# Altium PCB mantarray_beta2_sensor_arrayed.PcbDoc (part 9 of 14)
Units mil, origin at the board's own origin, x right, y up, seen from the top; angles counter-clockwise.
Board outline 6232.47 x 10167.51 mil, 8 copper layers (Layer1_Top, Layer2_sig1, Layer3_AVDD_PLANE, Layer4_GND_PLANE, Layer5_DVDD_PLANE, Layer6_BUS, Layer7_sig2, Layer8_BOT), stack 50.224 mil thick; 470 components, 492 nets, 4650 pads, 3798 vias.
Unrouted connection lines stored in the file: 3.
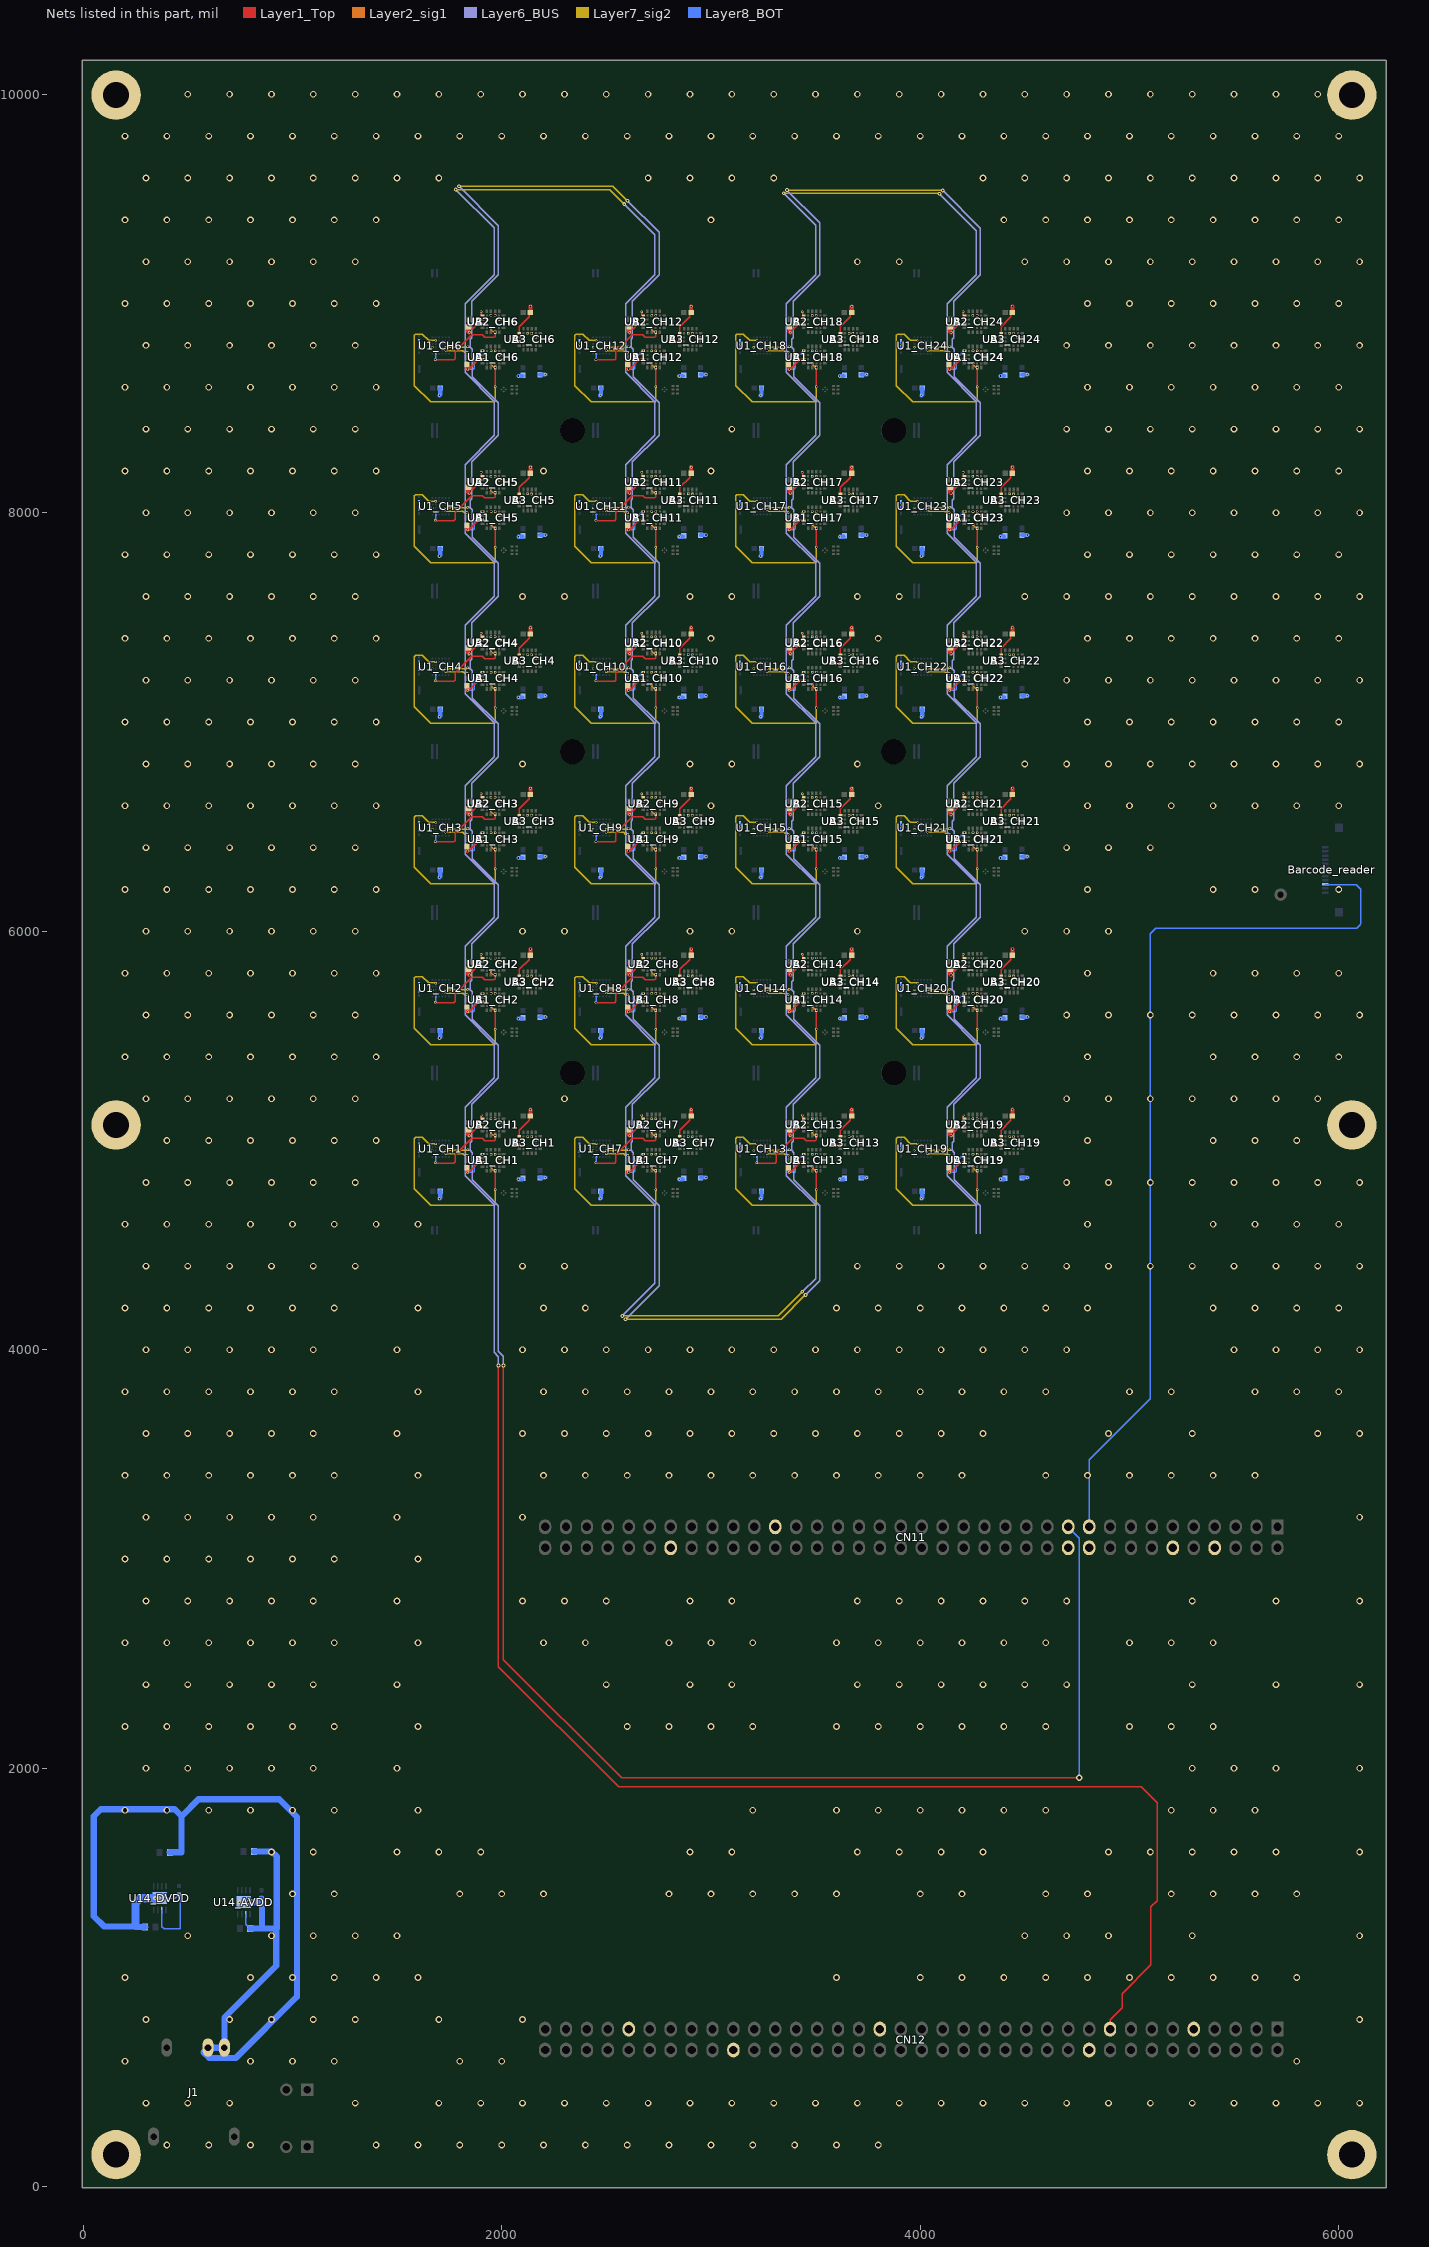
[diagram p15: the nets of this part, all layers, seen from the top]

## Via types
v1: diameter 12/12/12/12/12 (per signal layer), hole 7.87, Layer1_Top to Layer8_BOT, 2208 vias
v2: diameter 32, hole 20, Layer1_Top to Layer8_BOT, 815 vias
v3: diameter 10/10/10/10/10 (per signal layer), hole 7.87, Layer1_Top to Layer8_BOT, 456 vias
v4: diameter 18, hole 8, Layer6_BUS to Layer7_sig2, 102 vias
v5: diameter 10/10 (per signal layer), hole 7.87, Layer7_sig2 to Layer8_BOT, 96 vias
v6: diameter 18, hole 16, Layer1_Top to Layer8_BOT, 57 vias
v7: diameter 12, hole 7.87, Layer1_Top to Layer8_BOT, 26 vias
v8: diameter 18, hole 8, Layer1_Top to Layer8_BOT, 17 vias
v9: diameter 32, hole 16, Layer1_Top to Layer8_BOT, 10 vias
v10: diameter 19.68, hole 7.87, Layer1_Top to Layer8_BOT, 4 vias
v11: diameter 30, hole 20, Layer1_Top to Layer8_BOT, 3 vias
v12: diameter 70.87, hole 47.24, Layer1_Top to Layer8_BOT, 2 vias
v13: diameter 20, hole 16, Layer3_AVDD_PLANE to Layer8_BOT, 1 vias
v14: diameter 20, hole 16, Layer5_DVDD_PLANE to Layer8_BOT, 1 vias

## Nets (pads, with @x,y where several pads share a name; then routed paths per layer and width w, separated by ;. In a path a pad name is that pad's centre, name@x,y a point inside that pad or via, vN(x,y) a via of type N, cw(c..) or ccw(c..) an arc to the next point about the centre after c; other vN are vias at no path point) (continued)
GND: (continued)
  other v2: 400,200 600,200 800,200 1400,200 1600,200 1800,200 2000,200 2200,200 2400,200 2600,200 2800,200 3000,200 3200,200 3400,200 3600,200 3800,200 300,400 500,400 700,400 1300,400 1700,400 1900,400 2100,400 2300,400 2500,400 2700,400 2900,400 3100,400 3300,400 3500,400 3700,400 3900,400 4100,400 4300,400 4500,400 4700,400 4900,400 5100,400 5300,400 5500,400 5700,400 5900,400 6100,400 200,600 800,600 1000,600 1200,600 1800,600 2000,600 5800,600 300,800 700,800 900,800 1100,800 1300,800 1700,800 2100,800 6100,800 200,1000 800,1000 1000,1000 1200,1000 1400,1000 1600,1000 3600,1000 4000,1000 4200,1000 4400,1000 4600,1000 4800,1000 5000,1000 5200,1000 5400,1000 5600,1000 5800,1000 500,1200 900,1200 1100,1200 1300,1200 1500,1200 4500,1200 4700,1200 4900,1200 5300,1200 6100,1200 1000,1400 1200,1400 1800,1400 2000,1400 2200,1400 2800,1400 3000,1400 3200,1400 3400,1400 3600,1400 4000,1400 4200,1400 4600,1400 4800,1400 5200,1400 5400,1400 5600,1400 5800,1400 900,1600 1100,1600 1500,1600 1700,1600 1900,1600 2900,1600 3100,1600 3700,1600 3900,1600 4100,1600 4300,1600 4900,1600 5100,1600 5300,1600 5500,1600 5700,1600 6100,1600 200,1800 400,1800 600,1800 800,1800 1000,1800 1200,1800 1600,1800 3200,1800 3600,1800 3800,1800 4000,1800 4200,1800 4400,1800 4600,1800 5200,1800 5400,1800 5600,1800 300,2000 500,2000 700,2000 900,2000 1100,2000 1500,2000 5300,2000 5500,2000 5700,2000 6100,2000 200,2200 400,2200 600,2200 800,2200 1000,2200 1200,2200 1600,2200 2600,2200 2800,2200 3000,2200 3200,2200 3600,2200 3800,2200 4000,2200 4200,2200 4400,2200 4600,2200 5000,2200 5200,2200 5400,2200 300,2400 500,2400 700,2400 900,2400 1100,2400 1500,2400 2500,2400 2900,2400 3100,2400 3700,2400 3900,2400 4100,2400 4300,2400 4500,2400 4700,2400 5300,2400 5700,2400 6100,2400 200,2600 400,2600 600,2600 800,2600 1000,2600 1200,2600 1600,2600 2200,2600 2400,2600 2800,2600 3000,2600 3200,2600 3600,2600 3800,2600 4000,2600 4200,2600 4400,2600 4600,2600 5000,2600 5200,2600 5400,2600 300,2800 500,2800 700,2800 900,2800 1100,2800 1500,2800 2100,2800 2300,2800 2500,2800 2900,2800 3100,2800 3700,2800 3900,2800 4100,2800 4300,2800 4500,2800 4700,2800 5300,2800 5700,2800 6100,2800 200,3000 400,3000 600,3000 800,3000 1000,3000 1200,3000 1600,3000 300,3200 500,3200 700,3200 900,3200 1100,3200 1500,3200 2100,3200 6100,3200 200,3400 400,3400 600,3400 800,3400 1000,3400 1200,3400 1600,3400 2200,3400 2400,3400 2600,3400 2800,3400 3000,3400 3200,3400 3400,3400 3600,3400 3800,3400 4000,3400 4200,3400 4600,3400 4800,3400 5000,3400 5200,3400 5400,3400 5600,3400 300,3600 500,3600 700,3600 900,3600 1100,3600 1500,3600 2100,3600 2300,3600 2500,3600 2700,3600 2900,3600 3100,3600 3300,3600 3500,3600 3700,3600 3900,3600 4100,3600 4300,3600 4900,3600 5300,3600 5900,3600 6100,3600 200,3800 400,3800 600,3800 800,3800 1000,3800 1200,3800 1600,3800 2200,3800 2400,3800 2600,3800 2800,3800 3000,3800 3200,3800 3400,3800 3600,3800 3800,3800 4000,3800 4200,3800 4400,3800 4600,3800 5000,3800 5200,3800 5600,3800 5800,3800 6000,3800 300,4000 500,4000 700,4000 900,4000 1100,4000 1500,4000 2100,4000 2300,4000 2500,4000 2700,4000 2900,4000 3100,4000 3300,4000 3500,4000 3700,4000 3900,4000 4100,4000 4300,4000 4500,4000 4700,4000 5500,4000 5700,4000 5900,4000 6100,4000 200,4200 400,4200 600,4200 800,4200 1000,4200 1200,4200 1600,4200 2200,4200 2400,4200 3600,4200 3800,4200 4000,4200 4200,4200 4400,4200 4600,4200 4800,4200 5400,4200 5600,4200 5800,4200 6000,4200 300,4400 500,4400 700,4400 900,4400 1100,4400 1300,4400 2100,4400 2300,4400 3700,4400 3900,4400 4100,4400 4300,4400 4500,4400 4700,4400 4900,4400 5100,4400 5300,4400 5500,4400 5700,4400 5900,4400 6100,4400 200,4600 400,4600 600,4600 800,4600 1000,4600 1200,4600 1400,4600 1600,4600 4800,4600 5400,4600 5600,4600 5800,4600 6000,4600 300,4800 500,4800 700,4800 900,4800 1100,4800 1300,4800 4700,4800 4900,4800 5100,4800 5300,4800 5500,4800 5700,4800 5900,4800 6100,4800 400,5000 600,5000 800,5000 1000,5000 1200,5000 1400,5000 4800,5000 5400,5000 5600,5000 5800,5000 300,5200 500,5200 700,5200 900,5200 1100,5200 1300,5200 2300,5200 4700,5200 4900,5200 5100,5200 5300,5200 5500,5200 5700,5200 5900,5200 200,5400 400,5400 600,5400 800,5400 1000,5400 1200,5400 1400,5400 4800,5400 5400,5400 5600,5400 5800,5400 6000,5400 300,5600 500,5600 700,5600 900,5600 1100,5600 1300,5600 4700,5600 4900,5600 5100,5600 5300,5600 5500,5600 5700,5600 5900,5600 6100,5600 200,5800 400,5800 600,5800 800,5800 1000,5800 1200,5800 1400,5800 4800,5800 5400,5800 5600,5800 5800,5800 6000,5800 300,6000 500,6000 700,6000 900,6000 1100,6000 1300,6000 2100,6000 2300,6000 2900,6000 3100,6000 3700,6000 4500,6000 4700,6000 4900,6000 200,6200 400,6200 600,6200 800,6200 1000,6200 1200,6200 1400,6200 4800,6200 5400,6200 5600,6200 6000,6200 300,6400 500,6400 700,6400 900,6400 1100,6400 1300,6400 4700,6400 4900,6400 5100,6400 200,6600 400,6600 600,6600 800,6600 1000,6600 1200,6600 1400,6600 3000,6600 3800,6600 4800,6600 5000,6600 5200,6600 5400,6600 5600,6600 5800,6600 6000,6600 300,6800 500,6800 700,6800 900,6800 1100,6800 1300,6800 2100,6800 2900,6800 3100,6800 3700,6800 4500,6800 4700,6800 4900,6800 5100,6800 5300,6800 5500,6800 5700,6800 5900,6800 6100,6800 200,7000 400,7000 600,7000 800,7000 1000,7000 1200,7000 1400,7000 4800,7000 5000,7000 5200,7000 5400,7000 5600,7000 5800,7000 6000,7000 300,7200 500,7200 700,7200 900,7200 1100,7200 1300,7200 4700,7200 4900,7200 5100,7200 5300,7200 5500,7200 5700,7200 5900,7200 6100,7200 200,7400 400,7400 600,7400 800,7400 1000,7400 1200,7400 1400,7400 3000,7400 3800,7400 4800,7400 5000,7400 5200,7400 5400,7400 5600,7400 5800,7400 6000,7400 300,7600 500,7600 700,7600 900,7600 1100,7600 1300,7600 2100,7600 2300,7600 2900,7600 3100,7600 3700,7600 3900,7600 4500,7600 4700,7600 4900,7600 5100,7600 5300,7600 5500,7600 5700,7600 5900,7600 6100,7600 200,7800 400,7800 600,7800 800,7800 1000,7800 1200,7800 1400,7800 4800,7800 5000,7800 5200,7800 5400,7800 5600,7800 5800,7800 6000,7800 300,8000 500,8000 700,8000 900,8000 1100,8000 1300,8000 4700,8000 4900,8000 5100,8000 5300,8000 5500,8000 5700,8000 5900,8000 6100,8000 200,8200 400,8200 600,8200 800,8200 1000,8200 1200,8200 1400,8200 2200,8200 3000,8200 4800,8200 5000,8200 5200,8200 5400,8200 5600,8200 5800,8200 6000,8200 300,8400 500,8400 700,8400 900,8400 1100,8400 1300,8400 3100,8400 4700,8400 4900,8400 5100,8400 5300,8400 5500,8400 5700,8400 5900,8400 6100,8400 200,8600 400,8600 600,8600 800,8600 1000,8600 1200,8600 1400,8600 4800,8600 5000,8600 5200,8600 5400,8600 5600,8600 5800,8600 6000,8600 300,8800 500,8800 700,8800 900,8800 1100,8800 1300,8800 4700,8800 4900,8800 5100,8800 5300,8800 5500,8800 5700,8800 5900,8800 6100,8800 200,9000 400,9000 600,9000 800,9000 1000,9000 1200,9000 1400,9000 4800,9000 5000,9000 5200,9000 5400,9000 5600,9000 5800,9000 6000,9000 300,9200 500,9200 700,9200 900,9200 1100,9200 1300,9200 3700,9200 3900,9200 4500,9200 4700,9200 4900,9200 5100,9200 5300,9200 5500,9200 5700,9200 5900,9200 6100,9200 200,9400 400,9400 600,9400 800,9400 1000,9400 1200,9400 1400,9400 3000,9400 4400,9400 4600,9400 4800,9400 5000,9400 5200,9400 5400,9400 5600,9400 5800,9400 6000,9400 300,9600 500,9600 700,9600 900,9600 1100,9600 1300,9600 1500,9600 1700,9600 2700,9600 2900,9600 3100,9600 3300,9600 4300,9600 4500,9600 4700,9600 4900,9600 5100,9600 5300,9600 5500,9600 5700,9600 5900,9600 6100,9600 200,9800 400,9800 600,9800 800,9800 1000,9800 1200,9800 1400,9800 1600,9800 1800,9800 2000,9800 2200,9800 2400,9800 2600,9800 2800,9800 3000,9800 3200,9800 3400,9800 3600,9800 3800,9800 4000,9800 4200,9800 4400,9800 4600,9800 4800,9800 5000,9800 5200,9800 5400,9800 5600,9800 5800,9800 6000,9800 500,10000 700,10000 900,10000 1100,10000 1300,10000 1500,10000 1700,10000 1900,10000 2100,10000 2300,10000 2500,10000 2700,10000 2900,10000 3100,10000 3300,10000 3500,10000 3700,10000 3900,10000 4100,10000 4300,10000 4500,10000 4700,10000 4900,10000 5100,10000 5300,10000 5500,10000 5700,10000 5900,10000
  other v3: 1669.29,4952.76 2437.01,4952.76 3204.72,4952.76 3972.44,4952.76 1669.29,5720.47 2437.01,5720.47 3204.72,5720.47 3972.44,5720.47 1669.29,6488.19 2437.01,6488.19 3204.72,6488.19 3972.44,6488.19 1669.29,7255.91 2437.01,7255.91 3204.72,7255.91 3972.44,7255.91 1669.29,8023.62 2437.01,8023.62 3204.72,8023.62 3972.44,8023.62 1669.29,8791.34 2437.01,8791.34 3204.72,8791.34 3972.44,8791.34
  other v10: 746.07,1360.24
I2C2_SCL: CN12.17 pad.5@1964.57,4557.09 pad.5@1964.57,5320.87 pad.5@1964.57,5324.8 pad.5@1964.57,6088.58 pad.5@1964.57,6092.52 pad.5@1964.57,6856.3 pad.5@1964.57,6860.24 pad.5@1964.57,7624.02 pad.5@1964.57,7627.95 pad.5@1964.57,8391.73 pad.5@1964.57,8395.67 pad.5@1964.57,9159.45 pad.5@2732.28,4557.09 pad.5@2732.28,5320.87 pad.5@2732.28,5324.8 pad.5@2732.28,6088.58 pad.5@2732.28,6092.52 pad.5@2732.28,6856.3 pad.5@2732.28,6860.24 pad.5@2732.28,7624.02 pad.5@2732.28,7627.95 pad.5@2732.28,8391.73 pad.5@2732.28,8395.67 pad.5@2732.28,9159.45 pad.5@3500,4557.09 pad.5@3500,5320.87 pad.5@3500,5324.8 pad.5@3500,6088.58 pad.5@3500,6092.52 pad.5@3500,6856.3 pad.5@3500,6860.24 pad.5@3500,7624.02 pad.5@3500,7627.95 pad.5@3500,8391.73 pad.5@3500,8395.67 pad.5@3500,9159.45 pad.5@4267.72,4557.09 pad.5@4267.72,5320.87 pad.5@4267.72,5324.8 pad.5@4267.72,6088.58 pad.5@4267.72,6092.52 pad.5@4267.72,6856.3 pad.5@4267.72,6860.24 pad.5@4267.72,7624.02 pad.5@4267.72,7627.95 pad.5@4267.72,8391.73 pad.5@4267.72,8395.67 pad.5@4267.72,9159.45 U1_CH1.E2 U1_CH2.E2 U1_CH3.E2 U1_CH4.E2 U1_CH5.E2 U1_CH6.E2 U1_CH7.E2 U1_CH8.E2 U1_CH9.E2 U1_CH10.E2 U1_CH11.E2 U1_CH12.E2 U1_CH13.E2 U1_CH14.E2 U1_CH15.E2 U1_CH16.E2 U1_CH17.E2 U1_CH18.E2 U1_CH19.E2 U1_CH20.E2 U1_CH21.E2 U1_CH22.E2 U1_CH23.E2 U1_CH24.E2 | length 35661.6
  Layer1_Top w6: v8(1984.72,3925.2) 1984.72,2485.16 2558.75,1911.13 5055.4,1911.13 5131.89,1834.65 5131.89,1368.11 5102.36,1338.58 5102.36,1061.02 4964.57,923.23 4964.57,856.3 4907.48,799.21 CN12.17@4907.48,753.94
  Layer6_BUS w6: v4(1780.97,9544.75) 1964.57,9361.16 pad.5@1964.57,9159.45 ; v1(1834.65,4929.13) 1833.02,4929.13 1825.28,4936.88 ; v1(1834.65,5696.85) 1833.02,5696.85 1825.28,5704.6 ; v1(1834.65,6464.57) 1833.02,6464.57 1825.28,6472.31 ; v1(1834.65,7232.28) 1833.02,7232.28 1825.28,7240.03 ; v1(1834.65,8000) 1833.02,8000 1825.28,8007.75 ; v1(1834.65,8767.72) 1833.02,8767.72 1825.28,8775.46 ; pad.5@1964.57,4555.12 1964.57,4693.27 1825.28,4832.56 1825.28,4936.88 ; pad.5@1964.57,4557.09 1964.57,3988.19 1984.72,3968.03 v8(1984.72,3925.2) ; pad.5@1964.57,9161.42 pad.5@1964.57,9159.45 ; v4(2576.25,4161.94) 2732.28,4317.98 pad.5@2732.28,4557.09 ; v4(2585.52,9475.28) 2732.28,9328.52 pad.5@2732.28,9159.45 ; v1(2602.36,4929.13) 2600.74,4929.13 2592.99,4936.88 ; v1(2602.36,5696.85) 2600.74,5696.85 2592.99,5704.6 ; v1(2602.36,6464.57) 2600.74,6464.57 2592.99,6472.31 ; v1(2602.36,7232.28) 2600.74,7232.28 2592.99,7240.03 ; v1(2602.36,8000) 2600.74,8000 2592.99,8007.75 ; v1(2602.36,8767.72) 2600.74,8767.72 2592.99,8775.46 ; pad.5@2732.28,4555.12 2732.28,4693.27 2592.99,4832.56 2592.99,4936.88 ; pad.5@2732.28,9161.42 pad.5@2732.28,9159.45 ; v4(3347.9,9527.04) 3500,9374.94 pad.5@3500,9159.45 ; v1(3370.08,4929.13) 3368.46,4929.13 3360.71,4936.88 ; v1(3370.08,5696.85) 3368.46,5696.85 3360.71,5704.6 ; v1(3370.08,6464.57) 3368.46,6464.57 3360.71,6472.31 ; v1(3370.08,7232.28) 3368.46,7232.28 3360.71,7240.03 ; v1(3370.08,8000) 3368.46,8000 3360.71,8007.75 ; v1(3370.08,8767.72) 3368.46,8767.72 3360.71,8775.46 ; v4(3436.9,4277.67) 3500,4340.77 pad.5@3500,4557.09 ; pad.5@3500,4555.12 3500,4693.27 3360.71,4832.56 3360.71,4936.88 ; pad.5@3500,9161.42 pad.5@3500,9159.45 ; v4(4092,9525.07) 4268.19,9348.87 pad.5@4268.19,9159.92 ; v1(4137.8,4929.13) 4136.17,4929.13 4128.43,4936.88 ; v1(4137.8,5696.85) 4136.17,5696.85 4128.43,5704.6 ; v1(4137.8,6464.57) 4136.17,6464.57 4128.43,6472.31 ; v1(4137.8,7232.28) 4136.17,7232.28 4128.43,7240.03 ; v1(4137.8,8000) 4136.17,8000 4128.43,8007.75 ; v1(4137.8,8767.72) 4136.17,8767.72 4128.43,8775.46 ; pad.5@4267.72,4555.12 4267.72,4693.27 4128.43,4832.56 4128.43,4936.88 ; pad.5@4267.72,9161.42 pad.5@4267.72,9159.45 4267.72,9137.8 4128.43,8998.5 4128.43,8775.46 ; 1825.28,4936.88 1825.28,5159.92 1964.57,5299.21 pad.5@1964.57,5320.87 1964.57,5322.83 1964.57,5460.99 1825.28,5600.28 1825.28,5704.6 ; 1825.28,5704.6 1825.28,5927.64 1964.57,6066.93 pad.5@1964.57,6088.58 1964.57,6090.55 1964.57,6228.7 1825.28,6367.99 1825.28,6472.31 ; 1825.28,6472.31 1825.28,6695.35 1964.57,6834.65 pad.5@1964.57,6856.3 1964.57,6858.27 1964.57,6996.42 1825.28,7135.71 1825.28,7240.03 ; 1825.28,7240.03 1825.28,7463.07 1964.57,7602.36 pad.5@1964.57,7624.02 1964.57,7625.98 1964.57,7764.13 1825.28,7903.43 1825.28,8007.75 ; 1825.28,8007.75 1825.28,8230.79 1964.57,8370.08 pad.5@1964.57,8391.73 1964.57,8393.7 1964.57,8531.85 1825.28,8671.14 1825.28,8775.46 ; 1825.28,8775.46 1825.28,8998.5 1964.57,9137.8 pad.5@1964.57,9159.45 ; 2592.99,4936.88 2592.99,5159.92 2732.28,5299.21 pad.5@2732.28,5320.87 2732.28,5322.83 2732.28,5460.99 2592.99,5600.28 2592.99,5704.6 ; 2592.99,5704.6 2592.99,5927.64 2732.28,6066.93 pad.5@2732.28,6088.58 2732.28,6090.55 2732.28,6228.7 2592.99,6367.99 2592.99,6472.31 ; 2592.99,6472.31 2592.99,6695.35 2732.28,6834.65 pad.5@2732.28,6856.3 2732.28,6858.27 2732.28,6996.42 2592.99,7135.71 2592.99,7240.03 ; 2592.99,7240.03 2592.99,7463.07 2732.28,7602.36 pad.5@2732.28,7624.02 2732.28,7625.98 2732.28,7764.13 2592.99,7903.43 2592.99,8007.75 ; 2592.99,8007.75 2592.99,8230.79 2732.28,8370.08 pad.5@2732.28,8391.73 2732.28,8393.7 2732.28,8531.85 2592.99,8671.14 2592.99,8775.46 ; 2592.99,8775.46 2592.99,8998.5 2732.28,9137.8 pad.5@2732.28,9159.45 ; 3360.71,4936.88 3360.71,5159.92 3500,5299.21 pad.5@3500,5320.87 3500,5322.83 3500,5460.99 3360.71,5600.28 3360.71,5704.6 ; 3360.71,5704.6 3360.71,5927.64 3500,6066.93 pad.5@3500,6088.58 3500,6090.55 3500,6228.7 3360.71,6367.99 3360.71,6472.31 ; 3360.71,6472.31 3360.71,6695.35 3500,6834.65 pad.5@3500,6856.3 3500,6858.27 3500,6996.42 3360.71,7135.71 3360.71,7240.03 ; 3360.71,7240.03 3360.71,7463.07 3500,7602.36 pad.5@3500,7624.02 3500,7625.98 3500,7764.13 3360.71,7903.43 3360.71,8007.75 ; 3360.71,8007.75 3360.71,8230.79 3500,8370.08 pad.5@3500,8391.73 3500,8393.7 3500,8531.85 3360.71,8671.14 3360.71,8775.46 ; 3360.71,8775.46 3360.71,8998.5 3500,9137.8 pad.5@3500,9159.45 ; 4128.43,4936.88 4128.43,5159.92 4267.72,5299.21 pad.5@4267.72,5320.87 4267.72,5322.83 4267.72,5460.99 4128.43,5600.28 4128.43,5704.6 ; 4128.43,5704.6 4128.43,5927.64 4267.72,6066.93 pad.5@4267.72,6088.58 4267.72,6090.55 4267.72,6228.7 4128.43,6367.99 4128.43,6472.31 ; 4128.43,6472.31 4128.43,6695.35 4267.72,6834.65 pad.5@4267.72,6856.3 4267.72,6858.27 4267.72,6996.42 4128.43,7135.71 4128.43,7240.03 ; 4128.43,7240.03 4128.43,7463.07 4267.72,7602.36 pad.5@4267.72,7624.02 4267.72,7625.98 4267.72,7764.13 4128.43,7903.43 4128.43,8007.75 ; 4128.43,8007.75 4128.43,8230.79 4267.72,8370.08 pad.5@4267.72,8391.73 4267.72,8393.7 4267.72,8531.85 4128.43,8671.14 4128.43,8775.46
  Layer7_sig2 w6: v3(1732.28,4937.01) 1814.96,4937.01 1822.83,4929.13 v1(1834.65,4929.13) ; v3(1732.28,5704.72) 1814.96,5704.72 1822.83,5696.85 v1(1834.65,5696.85) ; v3(1732.28,6472.44) 1814.96,6472.44 1822.83,6464.57 v1(1834.65,6464.57) ; v3(1732.28,7240.16) 1814.96,7240.16 1822.83,7232.28 v1(1834.65,7232.28) ; v3(1732.28,8007.87) 1814.96,8007.87 1822.83,8000 v1(1834.65,8000) ; v3(1732.28,8775.59) 1814.96,8775.59 1822.83,8767.72 v1(1834.65,8767.72) ; v4(1780.97,9544.75) 1781.42,9544.31 1803.16,9544.31 1803.6,9544.75 2516.05,9544.75 v4(2585.52,9475.28) ; v3(2500,4937.01) 2582.68,4937.01 2590.55,4929.13 v1(2602.36,4929.13) ; v3(2500,5704.72) 2582.68,5704.72 2590.55,5696.85 v1(2602.36,5696.85) ; v3(2500,6472.44) 2582.68,6472.44 2590.55,6464.57 v1(2602.36,6464.57) ; v3(2500,7240.16) 2582.68,7240.16 2590.55,7232.28 v1(2602.36,7232.28) ; v3(2500,8007.87) 2582.68,8007.87 2590.55,8000 v1(2602.36,8000) ; v3(2500,8775.59) 2582.68,8775.59 2590.55,8767.72 v1(2602.36,8767.72) ; v4(2576.25,4161.94) 2576.69,4162.39 2598.43,4162.39 2598.88,4161.94 3321.17,4161.94 v4(3436.9,4277.67) ; v3(3267.72,4937.01) 3350.39,4937.01 3358.27,4929.13 v1(3370.08,4929.13) ; v3(3267.72,5704.72) 3350.39,5704.72 3358.27,5696.85 v1(3370.08,5696.85) ; v3(3267.72,6472.44) 3350.39,6472.44 3358.27,6464.57 v1(3370.08,6464.57) ; v3(3267.72,7240.16) 3350.39,7240.16 3358.27,7232.28 v1(3370.08,7232.28) ; v3(3267.72,8007.87) 3350.39,8007.87 3358.27,8000 v1(3370.08,8000) ; v3(3267.72,8775.59) 3350.39,8775.59 3358.27,8767.72 v1(3370.08,8767.72) ; v4(3347.9,9527.04) 3348.34,9526.59 4090.47,9526.59 v4(4092,9525.07) ; v3(4035.43,4937.01) 4118.11,4937.01 4125.98,4929.13 v1(4137.8,4929.13) ; v3(4035.43,5704.72) 4118.11,5704.72 4125.98,5696.85 v1(4137.8,5696.85) ; v3(4035.43,6472.44) 4118.11,6472.44 4125.98,6464.57 v1(4137.8,6464.57) ; v3(4035.43,7240.16) 4118.11,7240.16 4125.98,7232.28 v1(4137.8,7232.28) ; v3(4035.43,8007.87) 4118.11,8007.87 4125.98,8000 v1(4137.8,8000) ; v3(4035.43,8775.59) 4118.11,8775.59 4125.98,8767.72 v1(4137.8,8767.72)
I2C2_SDA: CN11.21 pad.5@1984.25,4557.09 pad.5@1984.25,5320.87 pad.5@1984.25,5324.8 pad.5@1984.25,6088.58 pad.5@1984.25,6092.52 pad.5@1984.25,6856.3 pad.5@1984.25,6860.24 pad.5@1984.25,7624.02 pad.5@1984.25,7627.95 pad.5@1984.25,8391.73 pad.5@1984.25,8395.67 pad.5@1984.25,9159.45 pad.5@2751.97,4557.09 pad.5@2751.97,5320.87 pad.5@2751.97,5324.8 pad.5@2751.97,6088.58 pad.5@2751.97,6092.52 pad.5@2751.97,6856.3 pad.5@2751.97,6860.24 pad.5@2751.97,7624.02 pad.5@2751.97,7627.95 pad.5@2751.97,8391.73 pad.5@2751.97,8395.67 pad.5@2751.97,9159.45 pad.5@3519.69,4557.09 pad.5@3519.69,5320.87 pad.5@3519.69,5324.8 pad.5@3519.69,6088.58 pad.5@3519.69,6092.52 pad.5@3519.69,6856.3 pad.5@3519.69,6860.24 pad.5@3519.69,7624.02 pad.5@3519.69,7627.95 pad.5@3519.69,8391.73 pad.5@3519.69,8395.67 pad.5@3519.69,9159.45 pad.5@4287.4,4557.09 pad.5@4287.4,5320.87 pad.5@4287.4,5324.8 pad.5@4287.4,6088.58 pad.5@4287.4,6092.52 pad.5@4287.4,6856.3 pad.5@4287.4,6860.24 pad.5@4287.4,7624.02 pad.5@4287.4,7627.95 pad.5@4287.4,8391.73 pad.5@4287.4,8395.67 pad.5@4287.4,9159.45 U1_CH1.D2 U1_CH2.D2 U1_CH3.D2 U1_CH4.D2 U1_CH5.D2 U1_CH6.D2 U1_CH7.D2 U1_CH8.D2 U1_CH9.D2 U1_CH10.D2 U1_CH11.D2 U1_CH12.D2 U1_CH13.D2 U1_CH14.D2 U1_CH15.D2 U1_CH16.D2 U1_CH17.D2 U1_CH18.D2 U1_CH19.D2 U1_CH20.D2 U1_CH21.D2 U1_CH22.D2 U1_CH23.D2 U1_CH24.D2 | length 35342.1
  Layer1_Top w6: v8(2008.44,3925.2) 2008.44,2520.04 2573.94,1954.54 v9@4759.84,1954.54
  Layer6_BUS w6: v4(1796.53,9560.31) 1984.25,9372.58 pad.5@1984.25,9159.45 ; v1(1838.28,4955.91) 1839.42,4954.77 1845.27,4954.77 1847.28,4952.76 1850.39,4952.76 ; v1(1838.28,5723.63) 1839.42,5722.48 1845.27,5722.48 1847.28,5720.47 1850.39,5720.47 ; v1(1838.28,6491.35) 1839.42,6490.2 1845.27,6490.2 1847.28,6488.19 1850.39,6488.19 ; v1(1838.28,7259.06) 1839.42,7257.91 1845.27,7257.91 1847.28,7255.91 1850.39,7255.91 ; v1(1838.28,8026.78) 1839.42,8025.63 1845.27,8025.63 1847.28,8023.62 1850.39,8023.62 ; v1(1838.28,8794.5) 1839.42,8793.35 1845.27,8793.35 1847.28,8791.34 1850.39,8791.34 ; pad.5@1984.25,4555.12 1984.25,4687.73 1860.24,4811.74 1860.24,4942.91 1850.39,4952.76 ; pad.5@1984.25,4557.09 1984.25,3994.09 2008.44,3969.91 v8(2008.44,3925.2) ; pad.5@1984.25,5324.8 pad.5@1984.25,5322.83 ; pad.5@1984.25,6092.52 pad.5@1984.25,6090.55 ; pad.5@1984.25,6860.24 pad.5@1984.25,6858.27 ; pad.5@1984.25,7627.95 pad.5@1984.25,7625.98 ; pad.5@1984.25,8395.67 pad.5@1984.25,8393.7 ; pad.5@1984.25,9161.42 1984.25,9137.8 1857.49,9011.03 1857.49,8835.83 1850.39,8828.74 1850.39,8791.34 ; v4(2591.8,4146.39) 2751.97,4306.55 pad.5@2751.97,4555.12 ; v4(2601.08,9490.84) 2751.97,9339.95 pad.5@2751.97,9159.45 ; v1(2605.99,4955.91) 2607.14,4954.77 2612.98,4954.77 2614.99,4952.76 2618.11,4952.76 ; v1(2605.99,5723.63) 2607.14,5722.48 2612.98,5722.48 2614.99,5720.47 2618.11,5720.47 ; v1(2605.99,6491.35) 2607.14,6490.2 2612.98,6490.2 2614.99,6488.19 2618.11,6488.19 ; v1(2605.99,7259.06) 2607.14,7257.91 2612.98,7257.91 2614.99,7255.91 2618.11,7255.91 ; v1(2605.99,8026.78) 2607.14,8025.63 2612.98,8025.63 2614.99,8023.62 2618.11,8023.62 ; v1(2605.99,8794.5) 2607.14,8793.35 2612.98,8793.35 2614.99,8791.34 2618.11,8791.34 ; pad.5@2751.97,4557.09 pad.5@2751.97,4555.12 ; pad.5@2751.97,5324.8 pad.5@2751.97,5322.83 ; pad.5@2751.97,6092.52 pad.5@2751.97,6090.55 ; pad.5@2751.97,6860.24 pad.5@2751.97,6858.27 ; pad.5@2751.97,7627.95 pad.5@2751.97,7625.98 ; pad.5@2751.97,8395.67 pad.5@2751.97,8393.7 ; pad.5@2751.97,9161.42 2751.97,9137.8 2625.2,9011.03 2625.2,8835.83 2618.11,8828.74 2618.11,8791.34 ; v4(3363.46,9542.59) 3519.69,9386.36 pad.5@3519.69,9159.45 ; v1(3373.71,4955.91) 3374.86,4954.77 3380.7,4954.77 3382.71,4952.76 3385.83,4952.76 ; v1(3373.71,5723.63) 3374.86,5722.48 3380.7,5722.48 3382.71,5720.47 3385.83,5720.47 ; v1(3373.71,6491.35) 3374.86,6490.2 3380.7,6490.2 3382.71,6488.19 3385.83,6488.19 ; v1(3373.71,7259.06) 3374.86,7257.91 3380.7,7257.91 3382.71,7255.91 3385.83,7255.91 ; v1(3373.71,8026.78) 3374.86,8025.63 3380.7,8025.63 3382.71,8023.62 3385.83,8023.62 ; v1(3373.71,8794.5) 3374.86,8793.35 3380.7,8793.35 3382.71,8791.34 3385.83,8791.34 ; v4(3452.45,4262.11) 3519.69,4329.34 pad.5@3519.69,4555.12 ; pad.5@3519.69,4557.09 pad.5@3519.69,4555.12 ; pad.5@3519.69,5324.8 pad.5@3519.69,5322.83 ; pad.5@3519.69,6092.52 pad.5@3519.69,6090.55 ; pad.5@3519.69,6860.24 pad.5@3519.69,6858.27 ; pad.5@3519.69,7627.95 pad.5@3519.69,7625.98 ; pad.5@3519.69,8395.67 pad.5@3519.69,8393.7 ; pad.5@3519.69,9161.42 3519.69,9137.8 3392.92,9011.03 3392.92,8835.83 3385.83,8828.74 3385.83,8791.34 ; v4(4107.55,9540.62) 4287.97,9360.21 pad.5@4287.97,9160.02 ; v1(4141.43,4955.91) 4142.57,4954.77 4148.42,4954.77 4150.43,4952.76 4153.54,4952.76 ; v1(4141.43,5723.63) 4142.57,5722.48 4148.42,5722.48 4150.43,5720.47 4153.54,5720.47 ; v1(4141.43,6491.35) 4142.57,6490.2 4148.42,6490.2 4150.43,6488.19 4153.54,6488.19 ; v1(4141.43,7259.06) 4142.57,7257.91 4148.42,7257.91 4150.43,7255.91 4153.54,7255.91 ; v1(4141.43,8026.78) 4142.57,8025.63 4148.42,8025.63 4150.43,8023.62 4153.54,8023.62 ; v1(4141.43,8794.5) 4142.57,8793.35 4148.42,8793.35 4150.43,8791.34 4153.54,8791.34 ; pad.5@4287.4,4557.09 4287.4,4555.12 4287.4,4687.73 4163.39,4811.74 4163.39,4942.91 4153.54,4952.76 ; pad.5@4287.4,5324.8 pad.5@4287.4,5322.83 ; pad.5@4287.4,6092.52 pad.5@4287.4,6090.55 ; pad.5@4287.4,6860.24 pad.5@4287.4,6858.27 ; pad.5@4287.4,7627.95 pad.5@4287.4,7625.98 ; pad.5@4287.4,8395.67 pad.5@4287.4,8393.7 ; pad.5@4287.4,9161.42 4287.4,9137.8 4160.64,9011.03 4160.64,8835.83 4153.54,8828.74 4153.54,8791.34 ; 1850.39,4952.76 1850.39,4990.16 1857.49,4997.25 1857.49,5172.45 1984.25,5299.21 pad.5@1984.25,5322.83 ; 1850.39,5720.47 1850.39,5757.87 1857.49,5764.97 1857.49,5940.17 1984.25,6066.93 pad.5@1984.25,6090.55 ; 1850.39,5720.47 1860.24,5710.63 1860.24,5579.46 1984.25,5455.44 pad.5@1984.25,5322.83 ; 1850.39,6488.19 1850.39,6525.59 1857.49,6532.69 1857.49,6707.88 1984.25,6834.65 pad.5@1984.25,6858.27 ; 1850.39,6488.19 1860.24,6478.35 1860.24,6347.17 1984.25,6223.16 pad.5@1984.25,6090.55 ; 1850.39,7255.91 1850.39,7293.31 1857.49,7300.4 1857.49,7475.6 1984.25,7602.36 pad.5@1984.25,7625.98 ; 1850.39,7255.91 1860.24,7246.06 1860.24,7114.89 1984.25,6990.88 pad.5@1984.25,6858.27 ; 1850.39,8023.62 1850.39,8061.02 1857.49,8068.12 1857.49,8243.32 1984.25,8370.08 pad.5@1984.25,8393.7 ; 1850.39,8023.62 1860.24,8013.78 1860.24,7882.61 1984.25,7758.59 pad.5@1984.25,7625.98 ; 1850.39,8791.34 1860.24,8781.5 1860.24,8650.32 1984.25,8526.31 pad.5@1984.25,8393.7 ; 2618.11,4952.76 2627.95,4942.91 2627.95,4811.74 2751.97,4687.73 pad.5@2751.97,4555.12 ; 2618.11,4952.76 2618.11,4990.16 2625.2,4997.25 2625.2,5172.45 2751.97,5299.21 pad.5@2751.97,5322.83 ; 2618.11,5720.47 2618.11,5757.87 2625.2,5764.97 2625.2,5940.17 2751.97,6066.93 pad.5@2751.97,6090.55 ; 2618.11,5720.47 2627.95,5710.63 2627.95,5579.46 2751.97,5455.44 pad.5@2751.97,5322.83 ; 2618.11,6488.19 2618.11,6525.59 2625.2,6532.69 2625.2,6707.88 2751.97,6834.65 pad.5@2751.97,6858.27 ; 2618.11,6488.19 2627.95,6478.35 2627.95,6347.17 2751.97,6223.16 pad.5@2751.97,6090.55 ; 2618.11,7255.91 2618.11,7293.31 2625.2,7300.4 2625.2,7475.6 2751.97,7602.36 pad.5@2751.97,7625.98 ; 2618.11,7255.91 2627.95,7246.06 2627.95,7114.89 2751.97,6990.88 pad.5@2751.97,6858.27 ; 2618.11,8023.62 2618.11,8061.02 2625.2,8068.12 2625.2,8243.32 2751.97,8370.08 pad.5@2751.97,8393.7 ; 2618.11,8023.62 2627.95,8013.78 2627.95,7882.61 2751.97,7758.59 pad.5@2751.97,7625.98 ; 2618.11,8791.34 2627.95,8781.5 2627.95,8650.32 2751.97,8526.31 pad.5@2751.97,8393.7 ; 3385.83,4952.76 3385.83,4990.16 3392.92,4997.25 3392.92,5172.45 3519.69,5299.21 pad.5@3519.69,5322.83 ; 3385.83,4952.76 3395.67,4942.91 3395.67,4811.74 3519.69,4687.73 pad.5@3519.69,4555.12 ; 3385.83,5720.47 3385.83,5757.87 3392.92,5764.97 3392.92,5940.17 3519.69,6066.93 pad.5@3519.69,6090.55 ; 3385.83,5720.47 3395.67,5710.63 3395.67,5579.46 3519.69,5455.44 pad.5@3519.69,5322.83 ; 3385.83,6488.19 3385.83,6525.59 3392.92,6532.69 3392.92,6707.88 3519.69,6834.65 pad.5@3519.69,6858.27 ; 3385.83,6488.19 3395.67,6478.35 3395.67,6347.17 3519.69,6223.16 pad.5@3519.69,6090.55 ; 3385.83,7255.91 3385.83,7293.31 3392.92,7300.4 3392.92,7475.6 3519.69,7602.36 pad.5@3519.69,7625.98 ; 3385.83,7255.91 3395.67,7246.06 3395.67,7114.89 3519.69,6990.88 pad.5@3519.69,6858.27 ; 3385.83,8023.62 3385.83,8061.02 3392.92,8068.12 3392.92,8243.32 3519.69,8370.08 pad.5@3519.69,8393.7 ; 3385.83,8023.62 3395.67,8013.78 3395.67,7882.61 3519.69,7758.59 pad.5@3519.69,7625.98 ; 3385.83,8791.34 3395.67,8781.5 3395.67,8650.32 3519.69,8526.31 pad.5@3519.69,8393.7 ; 4153.54,4952.76 4153.54,4990.16 4160.64,4997.25 4160.64,5172.45 4287.4,5299.21 pad.5@4287.4,5322.83 ; 4153.54,5720.47 4153.54,5757.87 4160.64,5764.97 4160.64,5940.17 4287.4,6066.93 pad.5@4287.4,6090.55 ; 4153.54,5720.47 4163.39,5710.63 4163.39,5579.46 4287.4,5455.44 pad.5@4287.4,5322.83 ; 4153.54,6488.19 4153.54,6525.59 4160.64,6532.69 4160.64,6707.88 4287.4,6834.65 pad.5@4287.4,6858.27 ; 4153.54,6488.19 4163.39,6478.35 4163.39,6347.17 4287.4,6223.16 pad.5@4287.4,6090.55 ; 4153.54,7255.91 4163.39,7246.06 4163.39,7114.89 4287.4,6990.88 pad.5@4287.4,6858.27 ; 4153.54,7255.91 4153.54,7293.31 4160.64,7300.4 4160.64,7475.6 4287.4,7602.36 pad.5@4287.4,7625.98 ; 4153.54,8023.62 4153.54,8061.02 4160.64,8068.12 4160.64,8243.32 4287.4,8370.08 pad.5@4287.4,8393.7 ; 4153.54,8023.62 4163.39,8013.78 4163.39,7882.61 4287.4,7758.59 pad.5@4287.4,7625.98 ; 4153.54,8791.34 4163.39,8781.5 4163.39,8650.32 4287.4,8526.31 pad.5@4287.4,8393.7